# Altium PCB FMC_ADC_128CH_10B.PcbDoc (part 1 of 14) (continued)
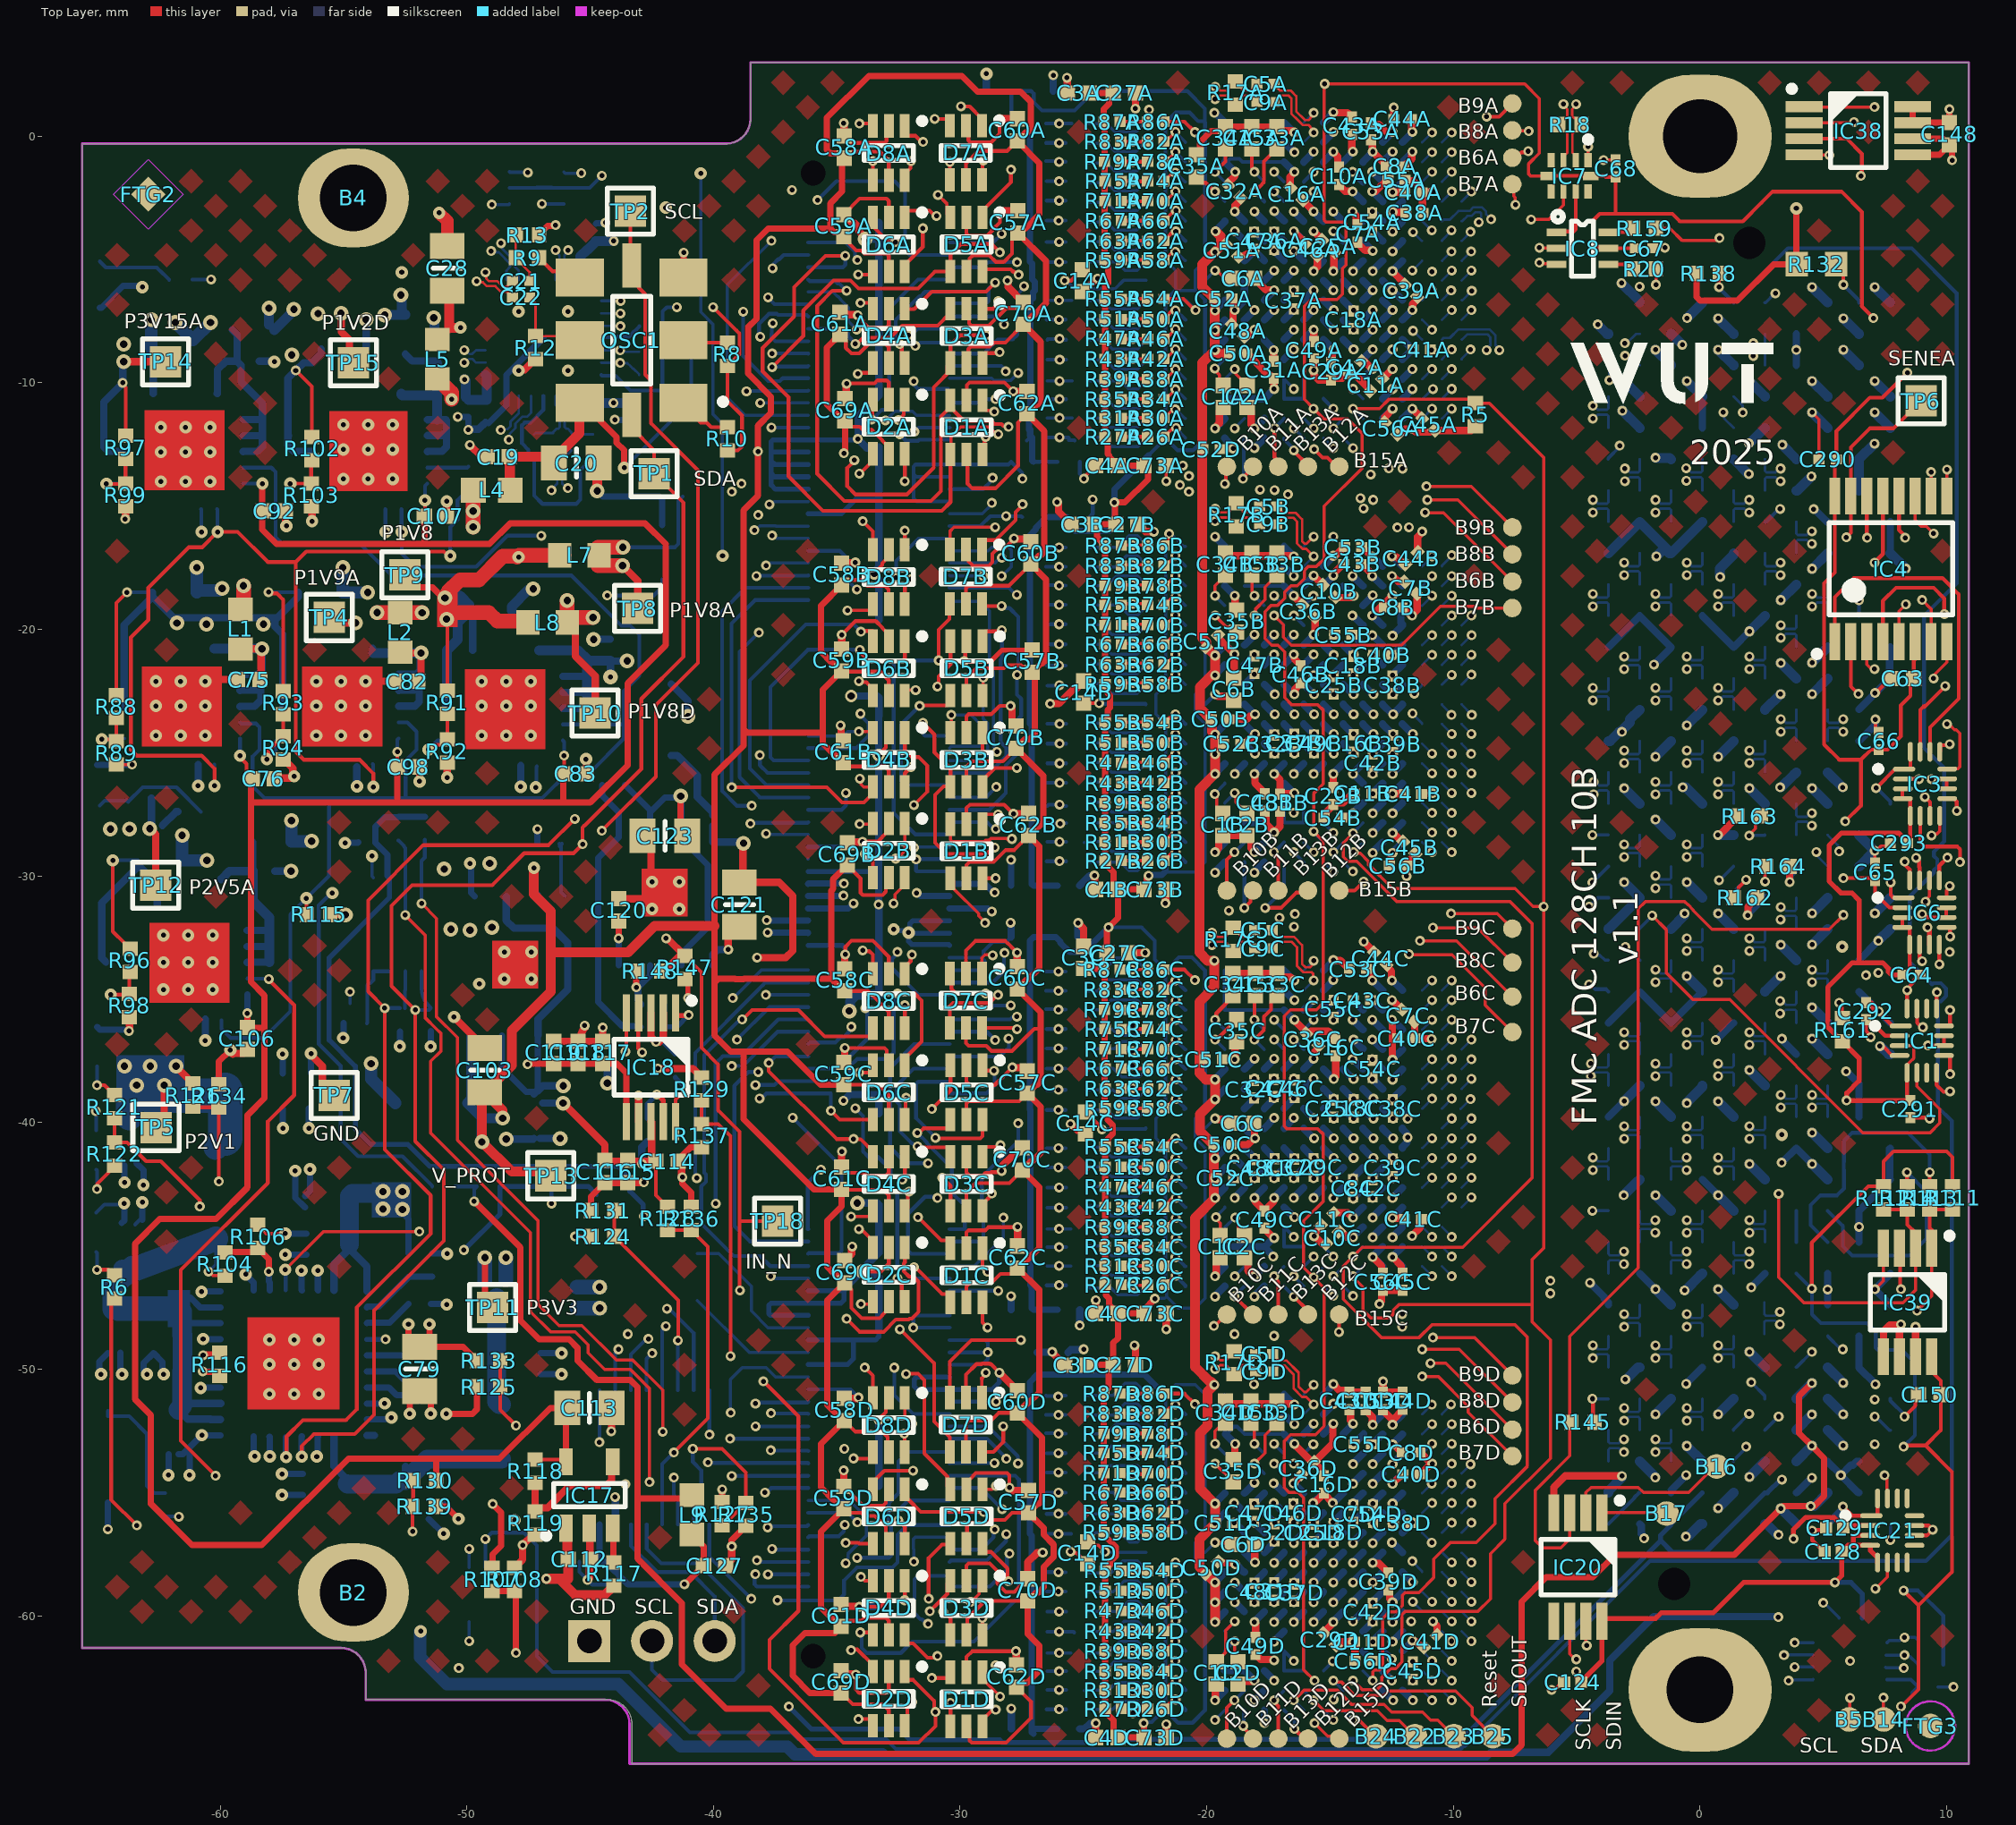
[diagram p0: Top Layer view]
## Design rules (kind name [scope] priority, off if disabled: settings) (continued)
RoomDefinition U_SPI_translators [InComponentClass('U_SPI_translators')] p10: confinementstyle=ConfineIn formatcopy=TRUE lockcomponents=FALSE outline -51.279,-31.481 -64.348,-31.481 -64.348,-26.333 -51.279,-26.333
RoomDefinition U_CLK_INPUT [InComponentClass('U_CLK_INPUT')] p11: confinementstyle=ConfineIn formatcopy=TRUE lockcomponents=FALSE outline -40.562,-23.35 -61.761,-23.35 -61.761,-8.549 -40.562,-8.549
RoomDefinition U_EEPROM_Temp [InComponentClass('U_EEPROM_Temp')] p12: confinementstyle=ConfineIn formatcopy=TRUE lockcomponents=FALSE outline -56.743,-54.593 -65.078,-54.593 -65.078,-59.616 -56.743,-59.616
RoomDefinition U_FMC [InComponentClass('U_FMC')] p13: confinementstyle=ConfineIn formatcopy=TRUE lockcomponents=FALSE outline 7.597,-64.904 1.338,-64.904 1.338,-60.764 7.597,-60.764
RoomDefinition FMC_ADC_128CH_10B [InComponentClass('FMC_ADC_128CH_10B')] p14: confinementstyle=ConfineIn formatcopy=TRUE lockcomponents=FALSE outline 11.916,-60.904 9.085,-60.904 9.085,-63.3 11.916,-63.3
RoutingCorners [All] p1 off: cornerstyle=45-Degree minsetback=2.54 maxsetback=2.54
RoutingLayers "'Default' PADS rule_10" [All] p1: top layer_v5=TRUE mid layer 1_v5=TRUE mid layer 2_v5=TRUE mid layer 3_v5=TRUE mid layer 4_v5=TRUE bottom layer_v5=TRUE
RoutingPriority "'Default' PADS rule_9" [All] p1 off: routingpriority=0
RoutingTopology "'Default' PADS rule_8" [All] p1 off: topology=Shortest
RoutingVias via [All] p1: holewidth=0.3 width=0.6 viastyle="Through Hole" minholewidth=0.2 minwidth=0.4 maxholewidth=0.5 maxwidth=1
SMDToPlane "'Default' PADS rule_16" [All] p1 off: distance=20000
SilkToSilkClearance [All] p1: silktosilkclearance=0
SilkToSolderMaskClearance [IsPad] p1: minsilkscreentomaskgap=0 clearancetoexposedcopper=TRUE
SolderMaskExpansion SolderMaskExpansion_via [IsVia] p1: expansion=0.102 istentingtop=TRUE
SolderMaskExpansion "Solder Mask Expansion from CAM settings" [All] p2: expansion=0.015 istentingtop=FALSE
ViasUnderSMD ViasUnderSMD_allow [HasFootprint('QFN50P400X400X100-25N-S280') or HasFootprint('QFN50P300X300X90-17N-S175') or HasFootprint('QFN50P900X900X100-65N-S615')or HasFootprint('QFN50P1000X1000X100-73N-S545')  or HasFootprint('QFN50P900X900X100-65N-S615 ') or  HasFootprint('SDA08C') or  HasFootprint('CP-40-1') or HasFootprint('CAPC0603X33N')  or HasFootprint('QFN50P500X500X100-29N-S325')  or HasFootprint('MPS_MPM54304GMN') or HasFootprint('QFN65P500X500X100-21N-S325') or InComponent('IC13')  or HasFootprint('SON50P300X200X100-9N-R175X155')    or InComponent('IC19')] p1: allowed=TRUE
ViasUnderSMD [All] p2: allowed=FALSE
Width diff [(InDifferentialPairClass('All Differential Pairs'))] p1: maxlimit=2.54 minlimit=0.12 preferedwidth=0.152 toplayer_maxwidth=0.13 toplayer_prefwidth=0.127 midlayer1_minwidth=0.127 midlayer1_prefwidth=0.508 midlayer2_minwidth=0.15 midlayer2_maxwidth=0.16 midlayer3_minwidth=0.15 midlayer3_maxwidth=0.16 midlayer4_minwidth=0.127 midlayer4_prefwidth=0.508 bottomlayer_maxwidth=0.13 bottomlayer_prefwidth=0.127 minimp=50.000000 maximp=50.000000 favimp=50.000000
Width [All] p2: maxlimit=2 minlimit=0.127 preferedwidth=0.127 minimp=50.000000 maximp=50.000000 favimp=50.000000
5 further rules are at their usual default settings.

## Classes and differential pairs
net class INP[127..96]: INP0 INP1 INP2 INP3 INP4 INP5 INP6 INP7 INP8 INP9 INP10 INP11 INP12 INP13 INP14 INP15 INP16 INP17 INP18 INP19 INP20 INP21 INP22 INP23 INP24 INP25 INP26 INP27 INP28 INP29 INP30 INP31 INP32 INP33 INP34 INP35 INP36 INP37 INP38 INP39 INP40 INP41 INP42 INP43 INP44 INP45 INP46 INP47 INP48 INP49 INP50 INP51 INP52 INP53 INP54 INP55 INP56 INP57 INP58 INP59 INP60 INP61 INP62 INP63 INP64 INP65 INP66 INP67 INP68 INP69 INP70 INP71 INP72 INP73 INP74 INP75 INP76 INP77 INP78 INP79 INP80 INP81 INP82 INP83 INP84 INP85 INP86 INP87 INP88 INP89 INP90 INP91 INP92 INP93 INP94 INP95 INP96 INP97 INP98 INP99 INP100 INP101 INP102 INP103 INP104 INP105 INP106 INP107 INP108 INP109 INP110 INP111 INP112 INP113 INP114 INP115 INP116 INP117 INP118 INP119 INP120 INP121 INP122 INP123 INP124 INP125 INP126 INP127
net class INP[63..32]: INP0 INP1 INP2 INP3 INP4 INP5 INP6 INP7 INP8 INP9 INP10 INP11 INP12 INP13 INP14 INP15 INP16 INP17 INP18 INP19 INP20 INP21 INP22 INP23 INP24 INP25 INP26 INP27 INP28 INP29 INP30 INP31 INP32 INP33 INP34 INP35 INP36 INP37 INP38 INP39 INP40 INP41 INP42 INP43 INP44 INP45 INP46 INP47 INP48 INP49 INP50 INP51 INP52 INP53 INP54 INP55 INP56 INP57 INP58 INP59 INP60 INP61 INP62 INP63 INP64 INP65 INP66 INP67 INP68 INP69 INP70 INP71 INP72 INP73 INP74 INP75 INP76 INP77 INP78 INP79 INP80 INP81 INP82 INP83 INP84 INP85 INP86 INP87 INP88 INP89 INP90 INP91 INP92 INP93 INP94 INP95 INP96 INP97 INP98 INP99 INP100 INP101 INP102 INP103 INP104 INP105 INP106 INP107 INP108 INP109 INP110 INP111 INP112 INP113 INP114 INP115 INP116 INP117 INP118 INP119 INP120 INP121 INP122 INP123 INP124 INP125 INP126 INP127
net class INP[31..0]: INP0 INP1 INP2 INP3 INP4 INP5 INP6 INP7 INP8 INP9 INP10 INP11 INP12 INP13 INP14 INP15 INP16 INP17 INP18 INP19 INP20 INP21 INP22 INP23 INP24 INP25 INP26 INP27 INP28 INP29 INP30 INP31 INP32 INP33 INP34 INP35 INP36 INP37 INP38 INP39 INP40 INP41 INP42 INP43 INP44 INP45 INP46 INP47 INP48 INP49 INP50 INP51 INP52 INP53 INP54 INP55 INP56 INP57 INP58 INP59 INP60 INP61 INP62 INP63 INP64 INP65 INP66 INP67 INP68 INP69 INP70 INP71 INP72 INP73 INP74 INP75 INP76 INP77 INP78 INP79 INP80 INP81 INP82 INP83 INP84 INP85 INP86 INP87 INP88 INP89 INP90 INP91 INP92 INP93 INP94 INP95 INP96 INP97 INP98 INP99 INP100 INP101 INP102 INP103 INP104 INP105 INP106 INP107 INP108 INP109 INP110 INP111 INP112 INP113 INP114 INP115 INP116 INP117 INP118 INP119 INP120 INP121 INP122 INP123 INP124 INP125 INP126 INP127
component class U_SPI_translators: B16 B17 B22 B23 B24 B25 C63 C64 C65 C66 C67 C68 C124 C128 C129 C290 C291 C292 C293 C294 C295 IC1 IC3 IC4 IC6 IC7 IC8 IC20 IC21 IC55 R1 R2 R18 R20 R21 R145 R158 R159 R160 R161 R162 R163 R164 TP6
component class U_AFE_32_SUP4: C7D C8D C10D C11D C16D C18D C25D C29D C31D C32D C36D C37D C38D C39D C40D C41D C42D C43D C44D C45D C46D C47D C48D C49D C50D C51D C52D C53D C54D C55D C56D
component class U_AFE_32_SUP3: C7C C8C C10C C11C C16C C18C C25C C29C C31C C32C C36C C37C C38C C39C C40C C41C C42C C43C C44C C45C C46C C47C C48C C49C C50C C51C C52C C53C C54C C55C C56C
component class U_AFE_32_SUP2: C7B C8B C10B C11B C16B C18B C25B C29B C31B C32B C36B C37B C38B C39B C40B C41B C42B C43B C44B C45B C46B C47B C48B C49B C50B C51B C52B C53B C54B C55B C56B
component class U_AFE_32_SUP1: C7A C8A C10A C11A C16A C18A C25A C29A C31A C32A C36A C37A C38A C39A C40A C41A C42A C43A C44A C45A C46A C47A C48A C49A C50A C51A C52A C53A C54A C55A C56A
differential pair class Diff_100Ohm: DCXO_C
channel class AFE_32_SUP: U_AFE_32_SUP1 U_AFE_32_SUP2 U_AFE_32_SUP3 U_AFE_32_SUP4
net class INP[95..64]: INP0 INP1 INP2 INP3 INP4 INP5 INP6 INP7 INP8 INP9 INP10 INP11 INP12 INP13 INP14 INP15 INP16 INP17 INP18 INP19 INP20 INP21 INP22 INP23 INP24 INP25 INP26 INP27 INP28 INP29 INP30 INP31 INP32 INP33 INP34 INP35 INP36 INP37 INP38 INP39 INP40 INP41 INP42 INP43 INP44 INP45 INP46 INP47 INP48 INP49 INP50 INP51 INP52 INP53 INP54 INP55 INP56 INP57 INP58 INP59 INP60 INP61 INP62 INP63 INP64 INP65 INP66 INP67 INP68 INP69 INP70 INP71 INP72 INP73 INP74 INP75 INP76 INP77 INP78 INP79 INP80 INP81 INP82 INP83 INP84 INP85 INP86 INP87 INP88 INP89 INP90 INP91 INP92 INP93 INP94 INP95 INP96 INP97 INP98 INP99 INP100 INP101 INP102 INP103 INP104 INP105 INP106 INP107 INP108 INP109 INP110 INP111 INP112 INP113 INP114 INP115 INP116 INP117 INP118 INP119 INP120 INP121 INP122 INP123 INP124 INP125 INP126 INP127
component class U_FMC: B1 B2 B3 B4 J6 R132
component class U_EEPROM_Temp: B5 B14 C148 C149 C150 IC2 IC38 IC39 R4 R7 R111 R112 R113 R114
component class U_AFE_3: B6D B7D B8D B9D B10D B11D B12D B13D B15D C1D C2D C3D C4D C5D C6D C9D C14D C15D C26D C27D C33D C34D C35D C57D C58D C59D C60D C61D C62D C69D C70D C71D C72D C73D C74D D1D D2D D3D D4D D5D D6D D7D D8D R17D R22D R24D R26D R27D R28D R29D R30D R31D R32D R33D R34D R35D R36D R37D R38D R39D R40D R41D R42D R43D R44D R45D R46D R47D R48D R49D R50D R51D R52D R53D R54D R55D R56D R57D R58D R59D R60D R61D R62D R63D R64D R65D R66D R67D R68D R69D R70D R71D R72D R73D R74D R75D R76D R77D R78D R79D R80D R81D R82D R83D R84D R85D R86D R87D U1D
component class U_AFE_2: B6C B7C B8C B9C B10C B11C B12C B13C B15C C1C C2C C3C C4C C5C C6C C9C C14C C15C C26C C27C C33C C34C C35C C57C C58C C59C C60C C61C C62C C69C C70C C71C C72C C73C C74C D1C D2C D3C D4C D5C D6C D7C D8C R17C R22C R24C R26C R27C R28C R29C R30C R31C R32C R33C R34C R35C R36C R37C R38C R39C R40C R41C R42C R43C R44C R45C R46C R47C R48C R49C R50C R51C R52C R53C R54C R55C R56C R57C R58C R59C R60C R61C R62C R63C R64C R65C R66C R67C R68C R69C R70C R71C R72C R73C R74C R75C R76C R77C R78C R79C R80C R81C R82C R83C R84C R85C R86C R87C U1C
component class U_AFE_1: B6B B7B B8B B9B B10B B11B B12B B13B B15B C1B C2B C3B C4B C5B C6B C9B C14B C15B C26B C27B C33B C34B C35B C57B C58B C59B C60B C61B C62B C69B C70B C71B C72B C73B C74B D1B D2B D3B D4B D5B D6B D7B D8B R17B R22B R24B R26B R27B R28B R29B R30B R31B R32B R33B R34B R35B R36B R37B R38B R39B R40B R41B R42B R43B R44B R45B R46B R47B R48B R49B R50B R51B R52B R53B R54B R55B R56B R57B R58B R59B R60B R61B R62B R63B R64B R65B R66B R67B R68B R69B R70B R71B R72B R73B R74B R75B R76B R77B R78B R79B R80B R81B R82B R83B R84B R85B R86B R87B U1B
component class U_AFE_0: B6A B7A B8A B9A B10A B11A B12A B13A B15A C1A C2A C3A C4A C5A C6A C9A C14A C15A C26A C27A C33A C34A C35A C57A C58A C59A C60A C61A C62A C69A C70A C71A C72A C73A C74A D1A D2A D3A D4A D5A D6A D7A D8A R17A R22A R24A R26A R27A R28A R29A R30A R31A R32A R33A R34A R35A R36A R37A R38A R39A R40A R41A R42A R43A R44A R45A R46A R47A R48A R49A R50A R51A R52A R53A R54A R55A R56A R57A R58A R59A R60A R61A R62A R63A R64A R65A R66A R67A R68A R69A R70A R71A R72A R73A R74A R75A R76A R77A R78A R79A R80A R81A R82A R83A R84A R85A R86A R87A U1A
channel class AFE_32: U_AFE_0 U_AFE_1 U_AFE_2 U_AFE_3
component class U_Supply_FMC: C75 C76 C77 C78 C79 C80 C81 C82 C83 C84 C85 C86 C87 C88 C89 C90 C91 C92 C93 C94 C95 C96 C97 C98 C99 C100 C101 C102 C103 C104 C105 C106 C107 C108 C109 C110 C111 C112 C113 C114 C115 C116 C117 C118 C119 C120 C121 C122 C123 C125 C126 C127 IC9 IC10 IC11 IC12 IC13 IC14 IC15 IC16 IC17 IC18 IC19 IC22 J2 L1 L2 L3 L6 L7 L8 L9 L10 L11 L12 LD2 LD3 LD4 LD5 LD6 R6 R25 R88 R89 R90 R91 R92 R93 R94 R95 R96 R97 R98 R99 R100 R101 R102 R103 R104 R105 R106 R107 R108 R109 R110 R115 R116 R117 R118 R119 R120 R121 R122 R123 R124 R125 R126 R127 R128 R129 R130 R131 R133 R134 R135 R136 R137 R138 R139 R140 R141 R142 R143 R144 R146 R147 R148 T2 T3 TP3 TP4 TP5 TP7 TP8 TP9 TP10 TP11 TP12 TP13 TP14 TP15 TP18
component class U_CLK_INPUT: C12 C13 C17 C19 C20 C21 C22 C23 C24 C28 C30 IC5 L4 L5 LD1 OSC1 R3 R8 R9 R10 R11 R12 R13 R14 R15 R16 R19 R23 T1 TP1 TP2
component class FMC_ADC_128CH_10B: FTG1 FTG2 FTG3 FTG4 J1 R5 TP16 TP17
differential pair HB06_CC: +HB06_CC_P -HB06_CC_N
differential pair FCLKD: +FCLKD_P -FCLKD_N
differential pair FCLKC: +FCLKC_P -FCLKC_N
differential pair FCLKB: +FCLKB_P -FCLKB_N
differential pair FCLKA: +FCLKA_P -FCLKA_N
differential pair DOUT15D: +DOUT15D_P -DOUT15D_N
differential pair DOUT15C: +DOUT15C_P -DOUT15C_N
differential pair DOUT15B: +DOUT15B_P -DOUT15B_N
differential pair DOUT15A: +DOUT15A_P -DOUT15A_N
differential pair DOUT14D: +DOUT14D_P -DOUT14D_N
differential pair DOUT14C: +DOUT14C_P -DOUT14C_N
differential pair DOUT14B: +DOUT14B_P -DOUT14B_N
differential pair DOUT14A: +DOUT14A_P -DOUT14A_N
differential pair DOUT13D: +DOUT13D_P -DOUT13D_N
differential pair DOUT13C: +DOUT13C_P -DOUT13C_N
differential pair DOUT13B: +DOUT13B_P -DOUT13B_N
differential pair DOUT13A: +DOUT13A_P -DOUT13A_N
differential pair DOUT12D: +DOUT12D_P -DOUT12D_N
differential pair DOUT12C: +DOUT12C_P -DOUT12C_N
differential pair DOUT12B: +DOUT12B_P -DOUT12B_N
differential pair DOUT12A: +DOUT12A_P -DOUT12A_N
differential pair DOUT11D: +DOUT11D_P -DOUT11D_N
differential pair DOUT11C: +DOUT11C_P -DOUT11C_N
differential pair DOUT11B: +DOUT11B_P -DOUT11B_N
differential pair DOUT11A: +DOUT11A_P -DOUT11A_N
differential pair DOUT10D: +DOUT10D_P -DOUT10D_N
differential pair DOUT10C: +DOUT10C_P -DOUT10C_N
differential pair DOUT10B: +DOUT10B_P -DOUT10B_N
differential pair DOUT10A: +DOUT10A_P -DOUT10A_N
differential pair DOUT9D: +DOUT9D_P -DOUT9D_N
differential pair DOUT9C: +DOUT9C_P -DOUT9C_N
differential pair DOUT9B: +DOUT9B_P -DOUT9B_N
differential pair DOUT9A: +DOUT9A_P -DOUT9A_N
differential pair DOUT8D: +DOUT8D_P -DOUT8D_N
differential pair DOUT8C: +DOUT8C_P -DOUT8C_N
differential pair DOUT8B: +DOUT8B_P -DOUT8B_N
differential pair DOUT8A: +DOUT8A_P -DOUT8A_N
differential pair DOUT7D: +DOUT7D_P -DOUT7D_N
differential pair DOUT7C: +DOUT7C_P -DOUT7C_N
differential pair DOUT7B: +DOUT7B_P -DOUT7B_N
differential pair DOUT7A: +DOUT7A_P -DOUT7A_N
differential pair DOUT6D: +DOUT6D_P -DOUT6D_N
differential pair DOUT6C: +DOUT6C_P -DOUT6C_N
differential pair DOUT6B: +DOUT6B_P -DOUT6B_N
differential pair DOUT6A: +DOUT6A_P -DOUT6A_N
differential pair DOUT5D: +DOUT5D_P -DOUT5D_N
differential pair DOUT5C: +DOUT5C_P -DOUT5C_N
differential pair DOUT5B: +DOUT5B_P -DOUT5B_N
differential pair DOUT5A: +DOUT5A_P -DOUT5A_N
differential pair DOUT4D: +DOUT4D_P -DOUT4D_N
differential pair DOUT4C: +DOUT4C_P -DOUT4C_N
differential pair DOUT4B: +DOUT4B_P -DOUT4B_N
differential pair DOUT4A: +DOUT4A_P -DOUT4A_N
differential pair DOUT3D: +DOUT3D_P -DOUT3D_N
differential pair DOUT3C: +DOUT3C_P -DOUT3C_N
differential pair DOUT3B: +DOUT3B_P -DOUT3B_N
differential pair DOUT3A: +DOUT3A_P -DOUT3A_N
differential pair DOUT2D: +DOUT2D_P -DOUT2D_N
differential pair DOUT2C: +DOUT2C_P -DOUT2C_N
differential pair DOUT2B: +DOUT2B_P -DOUT2B_N
differential pair DOUT2A: +DOUT2A_P -DOUT2A_N
differential pair DOUT1D: +DOUT1D_P -DOUT1D_N
differential pair DOUT1C: +DOUT1C_P -DOUT1C_N
differential pair DOUT1B: +DOUT1B_P -DOUT1B_N
differential pair DOUT1A: +DOUT1A_P -DOUT1A_N
differential pair DOUT0D: +DOUT0D_P -DOUT0D_N
differential pair DOUT0C: +DOUT0C_P -DOUT0C_N
differential pair DOUT0B: +DOUT0B_P -DOUT0B_N
differential pair DOUT0A: +DOUT0A_P -DOUT0A_N
differential pair DCLKD: +DCLKD_P -DCLKD_N
differential pair DCLKC: +DCLKC_P -DCLKC_N
differential pair DCLKB: +DCLKB_P -DCLKB_N
differential pair DCLKA: +DCLKA_P -DCLKA_N
differential pair ADCCLKD: +ADCCLKD_P -ADCCLKD_N
differential pair ADCCLKC: +ADCCLKC_P -ADCCLKC_N
differential pair ADCCLKB: +ADCCLKB_P -ADCCLKB_N
differential pair ADCCLKA: +ADCCLKA_P -ADCCLKA_N
differential pair FMC_CLK: +FMC_CLK_P -FMC_CLK_N
differential pair DCXO_CC: +DCXO_CC_P -DCXO_CC_N
differential pair CLK3_BIDIR: +CLK3_BIDIR_P -CLK3_BIDIR_N
differential pair CLK2_BIDIR: +CLK2_BIDIR_P -CLK2_BIDIR_N
differential pair ADC_CLKD: +ADC_CLKD_P -ADC_CLKD_N
differential pair ADC_CLKC: +ADC_CLKC_P -ADC_CLKC_N
differential pair ADC_CLKB: +ADC_CLKB_P -ADC_CLKB_N
differential pair ADC_CLKA: +ADC_CLKA_P -ADC_CLKA_N
differential pair DCXO_C: +DCXO_C_P -DCXO_C_N

## Components (designator, comment, footprint, x,y, rotation, side; value= is the part's Value field where it differs from the comment)
B1 "Plated Hole" MTG300_600#1 0,-63 r180 bottom locked
B2 "Plated Hole" MTG300_600#2 -54.6,-59.05 r180 top locked
B3 "Plated Hole" MTG300_600#3 0,0 r180 bottom
B4 "Plated Hole" MTG300_600#2 -54.6,-2.5 r180 top locked
B5 "SMD Pad" C100#1 6.043,-64.2 r180 top
B6A "SMD Pad" C75 -7.612,-0.87 r90 top (schematic designator B6)
B6B "SMD Pad" C75 -7.612,-18.058 r90 top (schematic designator B6)
B6C "SMD Pad" C75 -7.612,-34.893 r90 top (schematic designator B6)
B6D "SMD Pad" C75 -7.612,-52.45 r90 top (schematic designator B6)
B7A "SMD Pad" C75 -7.612,-1.944 r90 top (schematic designator B7)
B7B "SMD Pad" C75 -7.612,-19.133 r90 top (schematic designator B7)
B7C "SMD Pad" C75 -7.612,-36.328 r90 top (schematic designator B7)
B7D "SMD Pad" C75 -7.612,-53.524 r90 top (schematic designator B7)
B8A "SMD Pad" C75 -7.612,0.24 r90 top (schematic designator B8)
B8B "SMD Pad" C75 -7.612,-16.949 r90 top (schematic designator B8)
B8C "SMD Pad" C75 -7.612,-33.503 r90 top (schematic designator B8)
B8D "SMD Pad" C75 -7.612,-51.341 r90 top (schematic designator B8)
B9A "SMD Pad" C75 -7.612,1.329 r90 top (schematic designator B9)
B9B "SMD Pad" C75 -7.612,-15.859 r90 top (schematic designator B9)
B9C "SMD Pad" C75 -7.612,-32.132 r90 top (schematic designator B9)
B9D "SMD Pad" C75 -7.612,-50.251 r90 top (schematic designator B9)
B10A "SMD Pad" C75 -19.187,-13.397 r270 top (schematic designator B10)
B10B "SMD Pad" C75 -19.187,-30.586 r270 top (schematic designator B10)
B10C "SMD Pad" C75 -19.187,-47.781 r270 top (schematic designator B10)
B10D "SMD Pad" C75 -19.187,-64.977 r270 top (schematic designator B10)
B11A "SMD Pad" C75 -18.127,-13.397 r270 top (schematic designator B11)
B11B "SMD Pad" C75 -18.127,-30.586 r270 top (schematic designator B11)
B11C "SMD Pad" C75 -18.127,-47.781 r270 top (schematic designator B11)
B11D "SMD Pad" C75 -18.127,-64.977 r270 top (schematic designator B11)
B12A "SMD Pad" C75 -15.897,-13.397 r270 top (schematic designator B12)
B12B "SMD Pad" C75 -15.897,-30.586 r270 top (schematic designator B12)
B12C "SMD Pad" C75 -15.897,-47.781 r270 top (schematic designator B12)
B12D "SMD Pad" C75 -15.897,-64.977 r270 top (schematic designator B12)
B13A "SMD Pad" C75 -17.102,-13.397 r270 top (schematic designator B13)
B13B "SMD Pad" C75 -17.102,-30.586 r270 top (schematic designator B13)
B13C "SMD Pad" C75 -17.102,-47.781 r270 top (schematic designator B13)
B13D "SMD Pad" C75 -17.102,-64.977 r270 top (schematic designator B13)
B14 "SMD Pad" C100#1 7.443,-64.2 r270 top
B15A "SMD Pad" C75 -14.627,-13.397 r270 top (schematic designator B15)
B15B "SMD Pad" C75 -14.627,-30.586 r270 top (schematic designator B15)
B15C "SMD Pad" C75 -14.627,-47.781 r270 top (schematic designator B15)
B15D "SMD Pad" C75 -14.627,-64.977 r270 top (schematic designator B15)
B16 "SMD Pad" C100#2 0.671,-53.938 r90 top
B17 "SMD Pad" C100#2 -1.359,-55.853 r90 top
B22 "SMD Pad" C100#1 -11.559,-64.875 r270 top
B23 "SMD Pad" C100#1 -9.979,-64.875 r270 top
B24 "SMD Pad" C100#1 -13.138,-64.875 r270 top
B25 "SMD Pad" C100#1 -8.4,-64.875 r270 top
C1A "1uF" CAPC1005X55N -19.328,-10.551 r90 top (schematic designator C1)
C1B "1uF" CAPC1005X55N -19.357,-27.911 r90 top (schematic designator C1)
C1C "1uF" CAPC1005X55N -19.457,-45.027 r90 top (schematic designator C1)
C1D "1uF" CAPC1005X55N -19.612,-62.309 r90 top (schematic designator C1)
C2A "1uF" CAPC1005X55N -18.361,-10.551 r90 top (schematic designator C2)
C2B "1uF" CAPC1005X55N -18.367,-27.911 r90 top (schematic designator C2)
C2C "1uF" CAPC1005X55N -18.472,-45.027 r90 top (schematic designator C2)
C2D "1uF" CAPC1005X55N -18.727,-62.309 r90 top (schematic designator C2)
C3A "1uF" CAPC1005X55N -25.2,1.76 r180 top (schematic designator C3)
C3B "1uF" CAPC1005X55N -25.043,-15.734 r180 top (schematic designator C3)
C3C "1uF" CAPC1005X55N -24.99,-33.295 r90 top (schematic designator C3)
C3D "1uF" CAPC1005X55N -25.313,-49.827 r180 top (schematic designator C3)
C4A "1uF" CAPC1005X55N -24.05,-13.353 r180 top (schematic designator C4)
C4B "1uF" CAPC1005X55N -24.05,-30.542 r180 top (schematic designator C4)
C4C "1uF" CAPC1005X55N -24.05,-47.737 r180 top (schematic designator C4)
C4D "1uF" CAPC1005X55N -24.05,-64.933 r180 top (schematic designator C4)
C5A "100nF" CAPC0603X33N#1 -17.617,2.125 r0 top (schematic designator C5)
C5B "100nF" CAPC0603X33N#1 -17.508,-15.013 r0 top (schematic designator C5)
C5C "100nF" CAPC0603X33N#1 -17.701,-32.194 r0 top (schematic designator C5)
C5D "100nF" CAPC0603X33N#1 -17.676,-49.387 r0 top (schematic designator C5)
C6A "1uF" CAPC1005X55N -18.524,-5.762 r180 top (schematic designator C6)
C6B "1uF" CAPC1005X55N -18.906,-22.421 r270 top (schematic designator C6)
C6C "1uF" CAPC1005X55N -18.543,-40.026 r180 top (schematic designator C6)
C6D "1uF" CAPC1005X55N -18.519,-57.107 r180 top (schematic designator C6)
C7A "100nF" CAPC0603X33N#1 -13.884,-3.944 r90 top (schematic designator C7)
C7B "100nF" CAPC0603X33N#1 -11.734,-18.309 r135 top (schematic designator C7)
C7C "100nF" CAPC0603X33N#1 -11.836,-35.661 r135 top (schematic designator C7)
C7D "100nF" CAPC0603X33N#1 -14.051,-55.862 r90 top (schematic designator C7)
C8A "100nF" CAPC0603X33N#1 -12.373,-1.221 r0 top (schematic designator C8)
C8B "100nF" CAPC0603X33N#1 -12.442,-19.101 r180 top (schematic designator C8)
C8C "100nF" CAPC0603X33N#1 -14.066,-42.663 r270 top (schematic designator C8)
C8D "100nF" CAPC0603X33N#1 -11.714,-53.375 r180 top (schematic designator C8)
C9A "100nF" CAPC0603X33N#1 -17.617,1.385 r0 top (schematic designator C9)
C9B "100nF" CAPC0603X33N#1 -17.509,-15.728 r0 top (schematic designator C9)
C9C "100nF" CAPC0603X33N#1 -17.701,-32.934 r0 top (schematic designator C9)
C9D "100nF" CAPC0603X33N#1 -17.669,-50.093 r0 top (schematic designator C9)
C10A "100nF" CAPC0603X33N#1 -14.642,-1.603 r270 top (schematic designator C10)
C10B "100nF" CAPC0603X33N#1 -15.039,-18.444 r315 top (schematic designator C10)
C10C "100nF" CAPC0603X33N#1 -14.897,-44.665 r45 top (schematic designator C10)
C10D "100nF" CAPC0603X33N#1 -13.555,-51.282 r270 top (schematic designator C10)
C11A "100nF" CAPC0603X33N#1 -13.133,-10.085 r45 top (schematic designator C11)
C11B "100nF" CAPC0603X33N#1 -13.659,-26.645 r0 top (schematic designator C11)
C11C "100nF" CAPC0603X33N#1 -15.117,-43.914 r45 top (schematic designator C11)
C11D "100nF" CAPC0603X33N#1 -13.664,-61.048 r0 top (schematic designator C11)
C12 "100nF" CAPC0603X33N#1 -49.938,-11.032 r90 bottom
C13 "100nF" CAPC0603X33N#1 -44.774,-3.906 r270 bottom
C14A "1uF" CAPC1005X55N -25.043,-5.855 r90 top (schematic designator C14)
C14B "1uF" CAPC1005X55N -24.99,-22.541 r270 top (schematic designator C14)
C14C "1uF" CAPC1005X55N -24.922,-40.011 r90 top (schematic designator C14)
C14D "1uF" CAPC1005X55N -24.833,-57.444 r90 top (schematic designator C14)
C15A "1uF" CAPC1005X55N -18.167,-0.059 r270 top (schematic designator C15)
C15B "1uF" CAPC1005X55N -18.167,-17.347 r270 top (schematic designator C15)
C15C "1uF" CAPC1005X55N -18.019,-34.397 r270 top (schematic designator C15)
C15D "1uF" CAPC1005X55N -18.203,-51.739 r270 top (schematic designator C15)
C16A "100nF" CAPC0603X33N#1 -16.357,-2.338 r315 top (schematic designator C16)
C16B "100nF" CAPC0603X33N#1 -14.029,-24.617 r270 top (schematic designator C16)
C16C "100nF" CAPC0603X33N#1 -14.774,-36.944 r270 top (schematic designator C16)
C16D "100nF" CAPC0603X33N#1 -15.256,-54.671 r270 top (schematic designator C16)
C17 "100nF" CAPC0603X33N#1 -49.245,-11.251 r90 bottom
C18A "100nF" CAPC0603X33N#1 -14.045,-7.442 r270 top (schematic designator C18)
C18B "100nF" CAPC0603X33N#1 -14.059,-21.45 r90 top (schematic designator C18)
C18C "100nF" CAPC0603X33N#1 -14.042,-39.42 r90 top (schematic designator C18)
C18D "100nF" CAPC0603X33N#1 -14.858,-56.612 r90 top (schematic designator C18)
C19 "1nF" CAPC1005X55N -48.726,-12.998 r0 top
C20 "4.7uF" CAPC2012X135N -45.561,-13.249 r180 top
C21 "100nF" CAPC0603X33N#1 -47.799,-5.866 r180 top
C22 "100nF" CAPC0603X33N#1 -47.799,-6.53 r180 top
C23 "100nF" CAPC0603X33N#1 -45.759,-12.382 r90 bottom
C24 "100nF" CAPC0603X33N#1 -46.499,-12.382 r90 bottom
C25A "100nF" CAPC0603X33N#1 -15.073,-4.451 r135 top (schematic designator C25)
C25B "100nF" CAPC0603X33N#1 -14.847,-22.26 r90 top (schematic designator C25)
C25C "100nF" CAPC0603X33N#1 -14.845,-39.43 r90 top (schematic designator C25)
C25D "100nF" CAPC0603X33N#1 -15.656,-56.632 r90 top (schematic designator C25)
C26A "1uF" CAPC1005X55N -27.479,-13.201 r180 bottom (schematic designator C26)
C26B "1uF" CAPC1005X55N -27.479,-30.389 r180 bottom (schematic designator C26)
C26C "1uF" CAPC1005X55N -27.479,-47.585 r180 bottom (schematic designator C26)
C26D "1uF" CAPC1005X55N -27.479,-64.581 r180 bottom (schematic designator C26)
C27A "1uF" CAPC1005X55N -23.339,1.76 r0 top (schematic designator C27)
C27B "1uF" CAPC1005X55N -23.238,-15.734 r0 top (schematic designator C27)
C27C "1uF" CAPC1005X55N -23.6,-33.11 r0 top (schematic designator C27)
C27D "1uF" CAPC1005X55N -23.339,-49.82 r0 top (schematic designator C27)
C28 "4.7uF" CAPC2012X135N -50.788,-5.357 r270 top
C29A "100nF" CAPC0603X33N#1 -14.969,-9.531 r90 top (schematic designator C29)
C29B "100nF" CAPC0603X33N#1 -14.867,-26.75 r90 top (schematic designator C29)
C29C "100nF" CAPC0603X33N#1 -15.66,-41.816 r270 top (schematic designator C29)
C29D "100nF" CAPC0603X33N#1 -15.013,-60.953 r135 top (schematic designator C29)
C30 "100nF" CAPC0603X33N#1 -43.319,-11.172 r90 bottom
C31A "100nF" CAPC0603X33N#1 -17.286,-9.47 r90 top (schematic designator C31)
C31B "100nF" CAPC0603X33N#1 -17.029,-27.029 r90 top (schematic designator C31)
C31C "100nF" CAPC0603X33N#1 -17.242,-41.819 r270 top (schematic designator C31)
C31D "100nF" CAPC0603X33N#1 -17.262,-59.012 r270 top (schematic designator C31)
C32A "100nF" CAPC0603X33N#1 -18.878,-2.232 r315 top (schematic designator C32)
C32B "100nF" CAPC0603X33N#1 -17.267,-24.642 r270 top (schematic designator C32)
C32C "100nF" CAPC0603X33N#1 -18.084,-38.645 r90 top (schematic designator C32)
C32D "100nF" CAPC0603X33N#1 -17.249,-56.612 r90 top (schematic designator C32)
C33A "1uF" CAPC1005X55N -17.163,-0.059 r270 top (schematic designator C33)
C33B "1uF" CAPC1005X55N -17.163,-17.347 r270 top (schematic designator C33)
C33C "1uF" CAPC1005X55N -17.163,-34.397 r270 top (schematic designator C33)
C33D "1uF" CAPC1005X55N -17.163,-51.739 r270 top (schematic designator C33)
C34A "1uF" CAPC1005X55N -19.242,-0.059 r270 top (schematic designator C34)
C34B "1uF" CAPC1005X55N -19.242,-17.347 r270 top (schematic designator C34)
C34C "1uF" CAPC1005X55N -18.942,-34.397 r270 top (schematic designator C34)
C34D "1uF" CAPC1005X55N -19.242,-51.739 r270 top (schematic designator C34)
C35A "1uF" CAPC1005X55N -20.423,-1.201 r270 top (schematic designator C35)
C35B "1uF" CAPC1005X55N -18.783,-19.661 r270 top (schematic designator C35)
C35C "1uF" CAPC1005X55N -18.783,-36.271 r90 top (schematic designator C35)
C35D "1uF" CAPC1005X55N -18.926,-54.115 r270 top (schematic designator C35)
C36A "100nF" CAPC0603X33N#1 -17.261,-4.242 r90 top (schematic designator C36)
C36B "100nF" CAPC0603X33N#1 -15.872,-19.256 r315 top (schematic designator C36)
C36C "100nF" CAPC0603X33N#1 -15.716,-36.625 r315 top (schematic designator C36)
C36D "100nF" CAPC0603X33N#1 -15.899,-54.013 r225 top (schematic designator C36)
C37A "100nF" CAPC0603X33N#1 -16.467,-6.648 r270 top (schematic designator C37)
C37B "100nF" CAPC0603X33N#1 -16.44,-24.598 r270 top (schematic designator C37)
C37C "100nF" CAPC0603X33N#1 -16.445,-41.834 r270 top (schematic designator C37)
C37D "100nF" CAPC0603X33N#1 -16.445,-59.056 r270 top (schematic designator C37)
C38A "100nF" CAPC0603X33N#1 -11.58,-3.1 r180 top (schematic designator C38)
C38B "100nF" CAPC0603X33N#1 -12.471,-22.245 r90 top (schematic designator C38)
C38C "100nF" CAPC0603X33N#1 -12.457,-39.422 r90 top (schematic designator C38)
C38D "100nF" CAPC0603X33N#1 -12.083,-56.232 r180 top (schematic designator C38)
C39A "100nF" CAPC0603X33N#1 -11.712,-6.261 r315 top (schematic designator C39)
C39B "100nF" CAPC0603X33N#1 -12.442,-24.643 r270 top (schematic designator C39)
C39C "100nF" CAPC0603X33N#1 -12.463,-41.831 r270 top (schematic designator C39)
C39D "100nF" CAPC0603X33N#1 -12.632,-58.6 r270 top (schematic designator C39)
C40A "100nF" CAPC0603X33N#1 -11.625,-2.271 r180 top (schematic designator C40)
C40B "100nF" CAPC0603X33N#1 -12.883,-21.034 r0 top (schematic designator C40)
C40C "100nF" CAPC0603X33N#1 -11.91,-36.577 r180 top (schematic designator C40)
C40D "100nF" CAPC0603X33N#1 -11.706,-54.252 r180 top (schematic designator C40)
C41A "100nF" CAPC0603X33N#1 -11.285,-8.645 r180 top (schematic designator C41)
C41B "100nF" CAPC0603X33N#1 -11.635,-26.663 r180 top (schematic designator C41)
C41C "100nF" CAPC0603X33N#1 -11.635,-43.911 r180 top (schematic designator C41)
C41D "100nF" CAPC0603X33N#1 -10.926,-61.032 r225 top (schematic designator C41)
C42A "100nF" CAPC0603X33N#1 -13.993,-9.361 r45 top (schematic designator C42)
C42B "100nF" CAPC0603X33N#1 -13.267,-25.406 r270 top (schematic designator C42)
C42C "100nF" CAPC0603X33N#1 -13.282,-42.661 r270 top (schematic designator C42)
C42D "100nF" CAPC0603X33N#1 -13.27,-59.832 r270 top (schematic designator C42)
C43A "100nF" CAPC0603X33N#1 -14.117,0.429 r270 top (schematic designator C43)
C43B "100nF" CAPC0603X33N#1 -14.095,-17.342 r0 top (schematic designator C43)
C43C "100nF" CAPC0603X33N#1 -13.699,-35.035 r0 top (schematic designator C43)
C43D "100nF" CAPC0603X33N#1 -14.218,-51.282 r270 top (schematic designator C43)
C44A "100nF" CAPC0603X33N#1 -12.062,0.703 r0 top (schematic designator C44)
C44B "100nF" CAPC0603X33N#1 -11.696,-17.113 r225 top (schematic designator C44)
C44C "100nF" CAPC0603X33N#1 -12.957,-33.339 r315 top (schematic designator C44)
C44D "100nF" CAPC0603X33N#1 -12.064,-51.279 r270 top (schematic designator C44)
C45A "100nF" CAPC0603X33N#1 -11.015,-11.682 r135 top (schematic designator C45)
C45B "100nF" CAPC0603X33N#1 -11.786,-28.843 r135 top (schematic designator C45)
C45C "100nF" CAPC0603X33N#1 -12.064,-46.452 r90 top (schematic designator C45)
C45D "100nF" CAPC0603X33N#1 -11.645,-62.223 r270 top (schematic designator C45)
C46A "100nF" CAPC0603X33N#1 -15.781,-4.592 r135 top (schematic designator C46)
C46B "100nF" CAPC0603X33N#1 -16.193,-21.82 r90 top (schematic designator C46)
C46C "100nF" CAPC0603X33N#1 -16.429,-38.623 r90 top (schematic designator C46)
C46D "100nF" CAPC0603X33N#1 -16.492,-55.822 r90 top (schematic designator C46)
C47A "100nF" CAPC0603X33N#1 -18.074,-4.237 r90 top (schematic designator C47)
C47B "100nF" CAPC0603X33N#1 -18.055,-21.435 r90 top (schematic designator C47)
C47C "100nF" CAPC0603X33N#1 -17.278,-38.597 r90 top (schematic designator C47)
C47D "100nF" CAPC0603X33N#1 -18.076,-55.823 r90 top (schematic designator C47)
C48A "100nF" CAPC0603X33N#1 -18.74,-7.88 r315 top (schematic designator C48)
C48B "100nF" CAPC0603X33N#1 -17.641,-27.013 r90 top (schematic designator C48)
C48C "100nF" CAPC0603X33N#1 -18.044,-41.853 r270 top (schematic designator C48)
C48D "100nF" CAPC0603X33N#1 -18.067,-59.03 r270 top (schematic designator C48)
C49A "100nF" CAPC0603X33N#1 -15.645,-8.67 r90 top (schematic designator C49)
C49B "100nF" CAPC0603X33N#1 -15.656,-24.638 r270 top (schematic designator C49)
C49C "100nF" CAPC0603X33N#1 -17.663,-43.929 r90 top (schematic designator C49)
C49D "100nF" CAPC0603X33N#1 -18.019,-61.218 r90 top (schematic designator C49)
C50A "100nF" CAPC0603X33N#1 -18.726,-8.796 r180 top (schematic designator C50)
C50B "100nF" CAPC0603X33N#1 -19.459,-23.634 r180 top (schematic designator C50)
C50C "100nF" CAPC0603X33N#1 -19.363,-40.89 r180 top (schematic designator C50)
C50D "100nF" CAPC0603X33N#1 -19.792,-58.043 r225 top (schematic designator C50)
C51A "100nF" CAPC0603X33N#1 -18.974,-4.626 r135 top (schematic designator C51)
C51B "100nF" CAPC0603X33N#1 -19.784,-20.475 r225 top (schematic designator C51)
C51C "100nF" CAPC0603X33N#1 -19.718,-37.434 r180 top (schematic designator C51)
C51D "100nF" CAPC0603X33N#1 -19.299,-56.232 r180 top (schematic designator C51)
C52A "100nF" CAPC0603X33N#1 -19.328,-6.577 r180 top (schematic designator C52)
C52B "100nF" CAPC0603X33N#1 -18.974,-24.638 r180 top (schematic designator C52)
C52C "100nF" CAPC0603X33N#1 -19.253,-42.25 r180 top (schematic designator C52)
C52D "100nF" CAPC0603X33N#1 -19.808,-12.688 r180 top (schematic designator C52)
C53A "100nF" CAPC0603X33N#1 -13.338,0.203 r90 top (schematic designator C53)
C53B "100nF" CAPC0603X33N#1 -14.064,-16.663 r0 top (schematic designator C53)
C53C "100nF" CAPC0603X33N#1 -13.868,-33.771 r0 top (schematic designator C53)
C53D "100nF" CAPC0603X33N#1 -12.864,-51.282 r270 top (schematic designator C53)
C54A "100nF" CAPC0603X33N#1 -13.288,-3.472 r90 top (schematic designator C54)
C54B "100nF" CAPC0603X33N#1 -14.886,-27.638 r0 top (schematic designator C54)
C54C "100nF" CAPC0603X33N#1 -13.28,-37.822 r90 top (schematic designator C54)
C54D "100nF" CAPC0603X33N#1 -13.261,-55.862 r90 top (schematic designator C54)
C55A "100nF" CAPC0603X33N#1 -12.304,-1.757 r180 top (schematic designator C55)
C55B "100nF" CAPC0603X33N#1 -14.463,-20.22 r0 top (schematic designator C55)
C55C "100nF" CAPC0603X33N#1 -14.858,-35.383 r270 top (schematic designator C55)
C55D "100nF" CAPC0603X33N#1 -13.67,-53.043 r0 top (schematic designator C55)
C56A "100nF" CAPC0603X33N#1 -12.525,-11.845 r135 top (schematic designator C56)
C56B "100nF" CAPC0603X33N#1 -12.242,-29.574 r180 top (schematic designator C56)
C56C "100nF" CAPC0603X33N#1 -12.864,-46.453 r90 top (schematic designator C56)
C56D "100nF" CAPC0603X33N#1 -13.637,-61.825 r0 top (schematic designator C56)
C57A "1uF" CAPC1005X55N -27.657,-3.472 r90 top (schematic designator C57)
C57B "1uF" CAPC1005X55N -27.071,-21.281 r90 top (schematic designator C57)
C57C "1uF" CAPC1005X55N -27.277,-38.356 r90 top (schematic designator C57)
C57D "1uF" CAPC1005X55N -27.23,-55.368 r90 top (schematic designator C57)
C58A "1uF" CAPC1005X55N -34.691,-0.437 r90 top (schematic designator C58)
C58B "1uF" CAPC1005X55N -34.804,-17.754 r90 top (schematic designator C58)
C58C "1uF" CAPC1005X55N -34.677,-34.207 r90 top (schematic designator C58)
C58D "1uF" CAPC1005X55N -34.693,-51.631 r90 top (schematic designator C58)
C59A "1uF" CAPC1005X55N -34.718,-3.625 r90 top (schematic designator C59)
C59B "1uF" CAPC1005X55N -34.804,-21.239 r90 top (schematic designator C59)
C59C "1uF" CAPC1005X55N -34.718,-38.009 r90 top (schematic designator C59)
C59D "1uF" CAPC1005X55N -34.718,-55.205 r90 top (schematic designator C59)
C60A "1uF" CAPC1005X55N -27.683,0.261 r90 top (schematic designator C60)
C60B "1uF" CAPC1005X55N -27.133,-16.897 r90 top (schematic designator C60)
C60C "1uF" CAPC1005X55N -27.683,-34.123 r90 top (schematic designator C60)
C60D "1uF" CAPC1005X55N -27.683,-51.319 r90 top (schematic designator C60)
C61A "1uF" CAPC1005X55N -34.868,-7.583 r90 top (schematic designator C61)
C61B "1uF" CAPC1005X55N -34.728,-24.957 r90 top (schematic designator C61)
C61C "1uF" CAPC1005X55N -34.804,-42.252 r90 top (schematic designator C61)
C61D "1uF" CAPC1005X55N -34.816,-59.981 r90 top (schematic designator C61)
C62A "1uF" CAPC1005X55N -27.287,-10.8 r90 top (schematic designator C62)
C62B "1uF" CAPC1005X55N -27.226,-27.911 r90 top (schematic designator C62)
C62C "1uF" CAPC1005X55N -27.67,-45.448 r90 top (schematic designator C62)
C62D "1uF" CAPC1005X55N -27.708,-62.444 r90 top (schematic designator C62)
C63 "100nF" CAPC1005X55N 8.213,-21.984 r0 top
C64 "100nF" CAPC0603X33N#1 8.577,-34.004 r0 top
C65 "100nF" CAPC0603X33N#1 7.092,-29.829 r90 top
C66 "100nF" CAPC0603X33N#1 7.242,-24.524 r90 top
C67 "100nF" CAPC0603X33N#1 -2.266,-4.543 r180 top
C68 "100nF" CAPC0603X33N#1 -3.421,-1.303 r90 top
C69A "1uF" CAPC1005X55N -34.668,-11.092 r90 top (schematic designator C69)
C69B "1uF" CAPC1005X55N -34.576,-29.103 r90 top (schematic designator C69)
C69C "1uF" CAPC1005X55N -34.677,-46.046 r90 top (schematic designator C69)
C69D "1uF" CAPC1005X55N -34.816,-62.673 r90 top (schematic designator C69)
C70A "1uF" CAPC1005X55N -27.433,-7.181 r90 top (schematic designator C70)
C70B "1uF" CAPC1005X55N -27.733,-24.369 r90 top (schematic designator C70)
C70C "1uF" CAPC1005X55N -27.479,-41.474 r90 top (schematic designator C70)
C70D "1uF" CAPC1005X55N -27.262,-58.945 r90 top (schematic designator C70)
C71A "1uF" CAPC1005X55N -26.674,1.836 r0 bottom (schematic designator C71)
C71B "1uF" CAPC1005X55N -25.211,-15.449 r0 bottom (schematic designator C71)
C71C "1uF" CAPC1005X55N -25.665,-32.47 r0 bottom (schematic designator C71)
C71D "1uF" CAPC1005X55N -25.625,-49.769 r90 bottom (schematic designator C71)
C72A "1uF" CAPC1005X55N -25.6,-13.201 r0 bottom (schematic designator C72)
C72B "1uF" CAPC1005X55N -25.6,-30.389 r0 bottom (schematic designator C72)
C72C "1uF" CAPC1005X55N -25.6,-47.585 r0 bottom (schematic designator C72)
C72D "1uF" CAPC1005X55N -25.6,-64.581 r0 bottom (schematic designator C72)
C73A "1uF" CAPC1005X55N -22.095,-13.353 r0 top (schematic designator C73)
C73B "1uF" CAPC1005X55N -22.095,-30.542 r0 top (schematic designator C73)
C73C "1uF" CAPC1005X55N -22.095,-47.737 r0 top (schematic designator C73)
C73D "1uF" CAPC1005X55N -22.095,-64.933 r0 top (schematic designator C73)
C74A "1uF" CAPC1005X55N -28.488,1.836 r180 bottom (schematic designator C74)
C74B "1uF" CAPC1005X55N -27.038,-15.539 r180 bottom (schematic designator C74)
C74C "1uF" CAPC1005X55N -27.479,-32.47 r180 bottom (schematic designator C74)
C74D "1uF" CAPC1005X55N -26.87,-49.769 r90 bottom (schematic designator C74)
C75 "1uF" CAPC1005X55N -58.837,-22.029 r180 top
C76 "1uF" CAPC1005X55N -58.251,-26.052 r180 top
C77 "22uF" CAPC2012X135N -61.846,-18.498 r180 bottom
C78 "1uF" CAPC1005X55N -44.187,-20.842 r90 bottom
C79 "22uF" CAPC2012X135N -51.911,-49.986 r270 top
C80 "22uF" CAPC2012X135N -51.911,-49.986 r270 bottom
C81 "22uF" CAPC2012X135N -62.719,-48.449 r90 bottom
C82 "1uF" CAPC1005X55N -52.436,-22.1 r180 top
C83 "1uF" CAPC1005X55N -45.592,-25.851 r180 top
C84 "22uF" CAPC2012X135N -49.077,-19.241 r180 bottom
C85 "22uF" CAPC2012X135N -64.575,-48.449 r90 bottom
C86 "22uF" CAPC2012X135N -63.447,-40.666 r90 bottom
C87 "22uF" CAPC2012X135N -63.447,-45.031 r270 bottom
C88 "22uF" CAPMP3528X210N -58.337,-38.663 r0 bottom
C89 "1uF" CAPC1005X55N -58.858,-9.125 r0 bottom
C90 "22uF" CAPC2012X135N -61.695,-52.543 r90 bottom
C91 "22uF" CAPC2012X135N -51.892,-55.148 r135 bottom
C92 "1uF" CAPC1005X55N -57.801,-15.195 r180 top
C93 "22uF" CAPC2012X135N -55.926,-18.498 r180 bottom
C94 "22uF" CAPC2012X135N -55.743,-54.646 r0 bottom
C95 "22uF" CAPC2012X135N -47.912,-49.8 r180 bottom
C96 "22uF" CAPMP3528X210N -47.346,-47.1 r0 bottom
C97 "22uF" CAPC2012X135N -55.662,-44.945 r0 bottom
C98 "1uF" CAPC1005X55N -52.364,-25.574 r180 top
C99 "22uF" CAPC2012X135N -55.662,-42.986 r0 bottom
C100 "1uF" CAPC1005X55N -51.911,-47.354 r180 bottom
C101 "22uF" CAPC2012X135N -62.44,-29.36 r180 bottom
C102 "100nF" CAPC1005X55N -46.689,-28.693 r180 bottom
C103 "22uF" CAPC2012X135N -49.264,-37.871 r270 top
C104 "1uF" CAPC1005X55N -58.233,-29.799 r0 bottom
C105 "1uF" CAPC1005X55N -51.2,-8.751 r90 bottom
C106 "1uF" CAPC1005X55N -58.896,-36.584 r90 top
C107 "1uF" CAPC1005X55N -51.27,-15.404 r180 top
C108 "22uF" CAPC2012X135N -61.894,-8.58 r180 bottom
C109 "22uF" CAPC2012X135N -55,-8.555 r180 bottom
C110 "22uF" CAPMP3528X210N -51.446,-39.204 r180 bottom
C111 "22uF" CAPC2012X135N -47.279,-39.737 r90 bottom
C112 "1uF" CAPC1005X55N -45.431,-57.699 r180 top
C113 "22uF" CAPC2012X135N -45.031,-51.569 r180 top
C114 "1nF" CAPC1005X55N -41.878,-41.564 r180 top
C115 "100nF" CAPC1005X55N -43.481,-41.982 r270 top
C116 "1uF" CAPC1005X55N -44.403,-41.982 r90 top
C117 "1nF" CAPC1005X55N -44.49,-37.154 r270 top
C118 "100nF" CAPC1005X55N -45.489,-37.154 r90 top
C119 "1uF" CAPC1005X55N -46.477,-37.154 r270 top
C120 "100nF" CAPC1005X55N -43.832,-31.369 r90 top
C121 "22uF" CAPC2012X135N -38.944,-31.155 r90 top
C122 "22uF" CAPMP3528X210N -41.713,-23.664 r90 bottom
C123 "22uF" CAPC2012X135N -41.969,-28.367 r0 top
C124 "100nF" CAPC0603X33N#2 -5.162,-62.683 r180 top
C125 "1nF" CAPC1005X55N -44.98,-57.802 r0 bottom
C126 "100nF" CAPC1005X55N -43.906,-58.73 r180 bottom
C127 "1uF" CAPC1005X55N -39.951,-57.96 r180 top
C128 "100nF" CAPC0603X33N#2 5.402,-57.381 r180 top
C129 "100nF" CAPC0603X33N#2 5.456,-56.424 r180 top
C148 "100nF" CAPC1005X55N 10.108,0.102 r270 top
C149 "100nF" CAPC1005X55N 9.291,-62.876 r0 bottom
C150 "100nF" CAPC1005X55N 9.312,-51.029 r180 top
C290 "100nF" CAPC0603X33N#1 5.175,-13.097 r180 top
C291 "100nF" CAPC0603X33N#1 8.523,-39.447 r270 top
C292 "100nF" CAPC0603X33N#1 6.733,-35.476 r90 top
C293 "100nF" CAPC0603X33N#1 8.063,-28.665 r180 top
C294 "100nF" CAPC0603X33N#1 -54.052,-28.628 r0 bottom
C295 "100nF" CAPC0603X33N#1 -54.381,-35.163 r180 bottom
D1A "D1213A-04S-7" SOT65P210X110-6N -29.74,-11.804 r270 top (schematic designator D1)
D1B "D1213A-04S-7" SOT65P210X110-6N -29.74,-28.992 r270 top (schematic designator D1)
D1C "D1213A-04S-7" SOT65P210X110-6N -29.74,-46.188 r270 top (schematic designator D1)